# KiCad board CEM.kicad_pcb (continued)
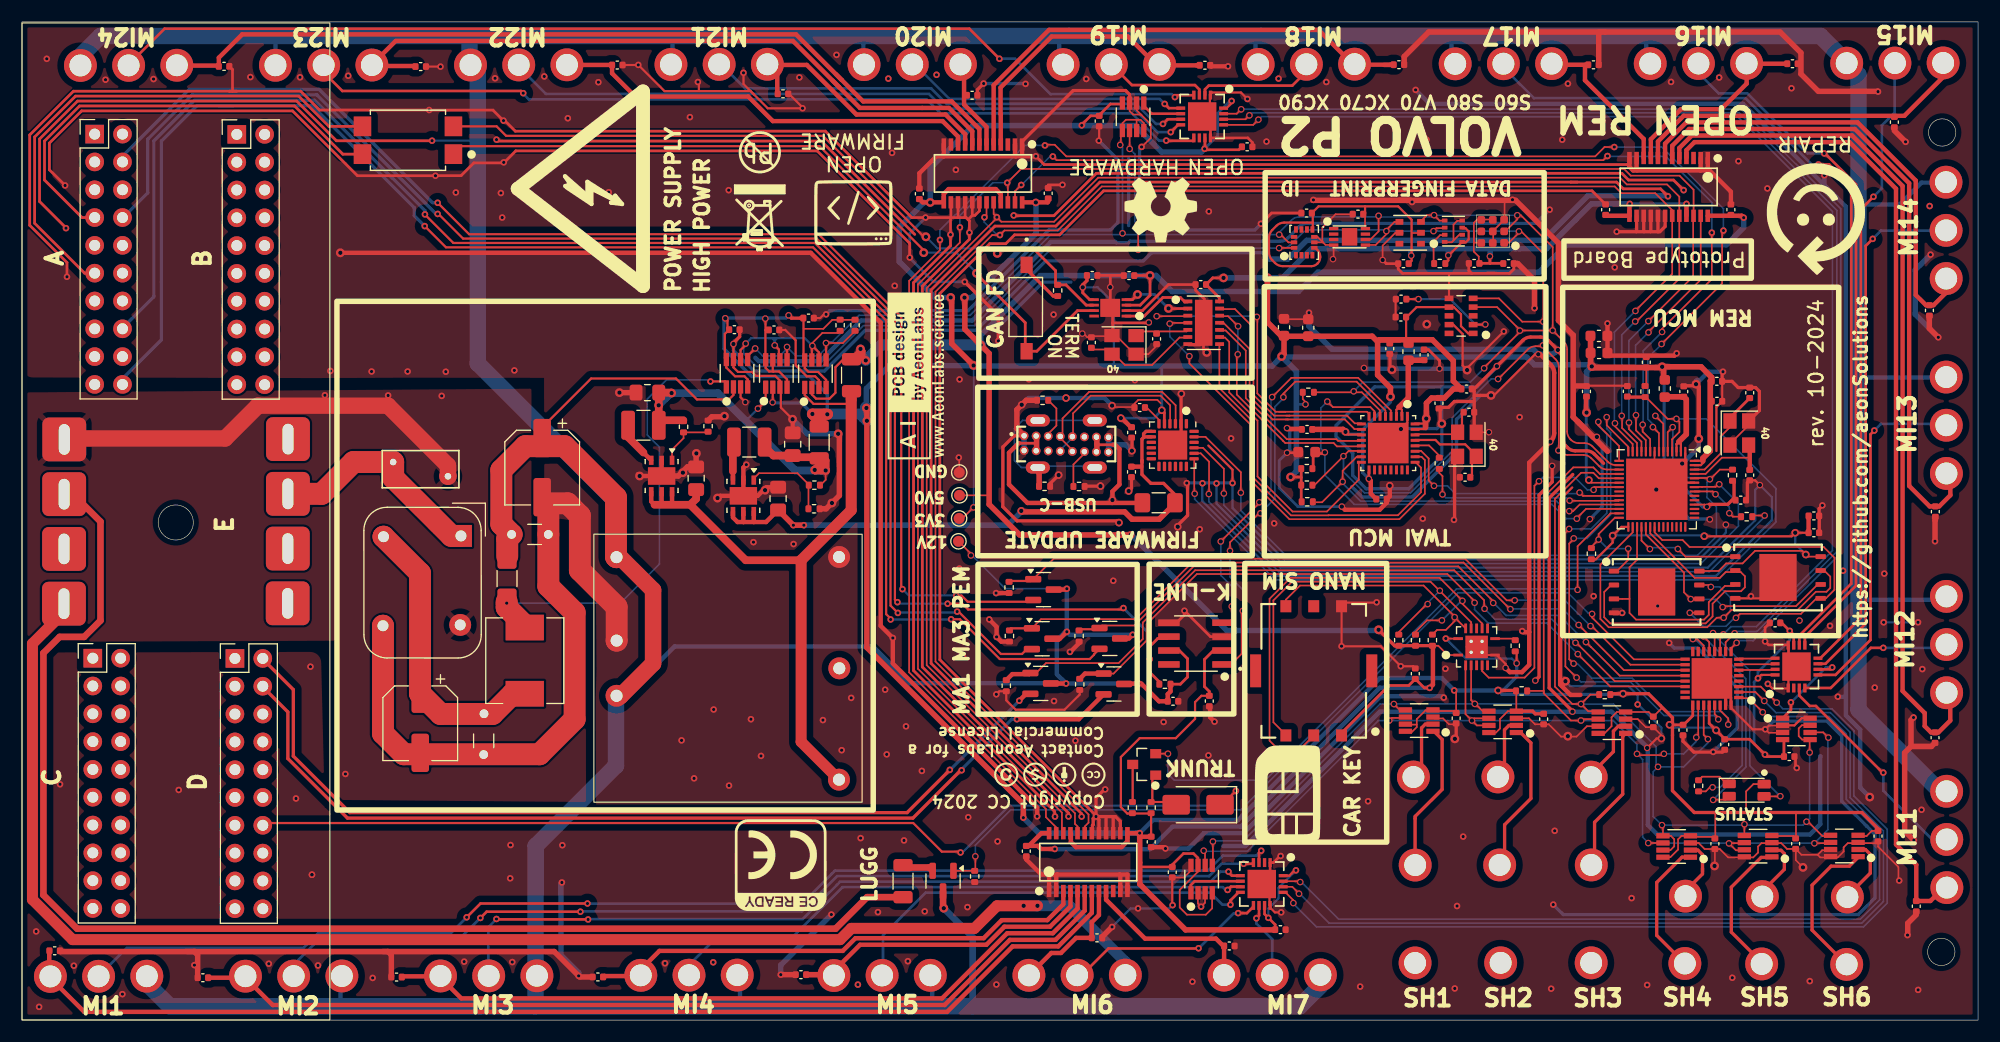
[diagram p0: board, top side]
## Routing (per net, layer and track width the routed paths; a pad name or vN(x,y) marks a point on that pad's centre or on a via; arc(x,y) is an arc through that point) (continued)
A1_TXMUX2: length 3.3
  Top w0.15: U14.14 159.95,32.5 156.72,32.5 KTS1.7
A1_TXMUX3: length 105.7
  Top w0.15: v4(112.02,82.63) 111.66,82.28 U13.14 ; KTS1.10 155.48,34.51 v4(156.3,35.33)
  Bottom w0.15: 156.14,35.49 v4(156.3,35.33) 156.47,35.5 158.35,35.5 165.63,42.78 165.63,73.95 156.72,82.86 112.25,82.86 v4(112.02,82.63)
A2_TXMUX1: length 86.7
  Top w0.15: TXMUX1.13 115.31,11.67 116.03,10.95 v4(116.03,10.69) ; KTS1.3 158.68,30.46 v4(160.14,29)
  Bottom w0.15: v4(160.14,29) 160.71,28.43 165.19,28.43 167.2,26.42 167.2,20.46 170.23,17.43 170.23,10.69 168.05,8.52 118.15,8.52 116.03,10.63 v4(116.03,10.69)
A2_TXMUX2: length 3.4
  Top w0.15: U14.13 159.96,33.02 156.74,33.02 KTS1.8
A2_TXMUX3: length 105.3
  Top w0.15: KTS1.11 154.98,34.94 v4(155.27,35.23) ; U13.13 112.37,81.77 v4(112.84,82.24)
  Bottom w0.15: v4(112.84,82.24) 113.11,82.51 156.58,82.51 165.23,73.86 165.23,42.88 158.29,35.94 155.98,35.94 v4(155.27,35.23)
CAN_H: length 41.7
  Top w0.25: U1.A14 5.49,73.3 2.06,76.73 2.06,80.29 5.26,83.49 24.89,83.49 29.29,79.09 FL1.4
CAN_L: length 47.9
  Top w0.25: FL1.3 28.02,81.63 25.26,84.39 4.89,84.39 1.16,80.66 1.16,72.78 5.72,68.22 U1.A16
CAN_RXD: length 6.4
  Top w0.25: 100.71,65.8 101.34,65.8 v2(101.81,66.27) ; 106.38,64.94 106.33,64.99 104.65,64.99 v2(104.64,65)
  Bottom w0.25: v2(104.64,65) 103.36,66.28 101.82,66.28 v2(101.81,66.27)
CAN_TXD: length 6.5
  Top w0.25: 100.71,64.3 102.42,64.3 104.12,66 105.72,66 106.13,65.59 106.38,65.59
CARGO_ILLUMINATION_12V: length 123.1
  Top w0.6: ER4.2 77.13,11.23 74.25,8.35 5.03,8.35 1.96,11.42 1.96,33.52 3.44,35 5.68,35 7.17,36.49 7.17,45.53 4.68,48.02 3.82,48.02 ; 3.82,48.06 3.82,47.85
CHIP_EN: length 85.5
  Top w0.15: v4(107.03,48.08) 106.99,48.12 106.99,51.27 ; 150.59,51.92 150.59,53.04 151.26,53.71 151.26,54.65 v4(150.99,54.92) 150.18,54.92 148.2,56.9 S3P4_R1.2
  Top w0.3: S3P4_C1.2 146.56,56.9 S3P4_R1.2
  Bottom w0.15: v4(107.03,48.08) 107.03,47.57 114.4,40.2 154.77,40.2 160.08,45.5 160.08,48.55 153.7,54.92 v4(150.99,54.92)
DARK_BLUE_WHITE_WIRE_RELAY_MA1_PIN85: length 88.9
  Top w0.3: 85.72,22.86 81.31,18.45 29.71,18.45 24.27,23.89 24.27,28.14 21.94,30.47
  Top w0.4: DMP1045U_3.2 96.44,27.48 v3(90.8,27.48)
  Bottom w0.3: v3(90.8,27.48) 90.34,27.48 85.72,22.86
  vias: v3(85.76,22.82)
DARK_BLUE_WIRE_RELAY_MA3_PIN85: length 84.1
  Top w0.3: v3(84.68,22.86) 84.68,22.85 80.78,18.95 29.93,18.95 24.77,24.11 24.77,30.18 21.94,33.01
  Top w0.4: DMP1045U_2.2 91.64,29.8 91.02,29.18 v3(91.02,29.17)
  Bottom w0.3: 91.02,29.03 v3(91.02,29.17) 84.71,22.86 v3(84.68,22.86)
ESP_GPIO0_BOOT-DTR: length 74.5
  Top w0.15: 106.99,53.27 108.01,53.27 111.24,50.04 v4(111.24,48.17) ; S3P52_R1.2 154.95,50.28 154.07,49.4 v4(154.04,49.4) 153.93,49.51 ; v4(150.65,54.16) 150.19,53.7 150.19,51.92 ; 153.93,49.51 152.63,49.51
  Bottom w0.15: v4(111.24,48.17) 111.24,46.54 115.33,42.45 152.91,42.45 154.64,44.18 154.64,46.87 153.78,47.73 153.78,49.14 v4(154.04,49.4) 153.89,49.54 ; 153.89,49.54 151.42,49.54 150.66,50.31 150.66,54.15 v4(150.65,54.16)
K-LINE-LIN: length 145.7
  Top w0.2: v3(84.48,38.03) 85.82,38.03 86.35,37.5 100.39,37.5 v3(100.53,37.64) ; v3(79.9,38.17) 79.67,38.4 79.67,64.24 72.53,71.38 40.26,71.38 38.01,73.63 v3(37.94,73.63)
  Top w0.25: TXR2.2 103.8,30.89 102.93,31.76 102.93,34.13 103.65,34.85 104.5,34.85 U15.6
  Bottom w0.2: v3(79.9,38.17) 80.04,38.03 v3(84.48,38.03)
  Bottom w0.25: v3(100.53,37.64) 102.93,35.23 v3(102.93,32.97)
  Bottom w0.3: v3(37.94,73.63) 37.79,73.63 26.91,84.51 15.54,84.51 11.49,80.46 11.49,75.56 9.2,73.27 8.62,73.27
K-LINE-RX: length 39.8
  Top w0.15: v4(110.25,42.86) 110.25,43.64 112.9,46.29 v4(113.03,46.29) ; v4(115.12,56.89) 115.12,57.22 116.21,58.31 121.81,58.31 124.44,55.68 124.44,55.19 ; U15.1 110.34,32.48 111.31,33.45 111.31,37.27 v4(111.42,37.38)
  Bottom w0.15: v4(111.42,37.38) 111.42,39.3 110.25,40.47 v4(110.25,42.86) ; v4(113.03,46.29) 113.03,46.33 114.34,47.64 114.34,56.01 115.12,56.79 v4(115.12,56.89)
K-LINE-TX: length 36.9
  Top w0.15: v4(109.41,43.72) 112.92,47.23 v4(112.92,47.3) ; U15.4 110.11,36.3 110.41,36.6 v4(110.41,37.79) ; 124.94,55.19 124.94,55.67 121.95,58.66 115.85,58.66 v4(114.09,56.9)
  Bottom w0.15: v4(112.92,47.3) 113.99,48.37 113.99,56.8 v4(114.09,56.9) ; v4(110.41,37.79) 110.41,39.62 109.41,40.62 v4(109.41,43.72)
KTS_INT: length 47.9
  Top w0.15: v4(144.63,55.07) 144.63,54.33 146.59,52.37 146.59,51.93 ; v4(141.62,44) 141.62,43.94 141.21,43.53 141.21,32.97 v4(141.61,32.56) ; v4(155.72,26.99) 155.72,27.54 154.98,28.28 KTS1.30
  Bottom w0.15: v4(144.63,55.07) 144.63,54.02 144.99,53.67 144.99,46.15 142.84,44 v4(141.62,44) ; v4(155.72,26.99) 155.72,27.58 155.13,28.17 150,28.17 146.94,31.23 143.28,31.23 141.95,32.56 v4(141.61,32.56)
KTS_RST: length 47
  Top w0.15: v4(141.2,44.86) 140.86,44.52 140.86,32.31 v4(141.88,31.28) ; 145.76,51.09 145.76,52.43 143.86,54.33 v4(143.86,54.64) ; KTS1.29 154.48,27.95 154.81,27.62
  Bottom w0.15: v4(141.2,44.86) 143.2,44.86 144.64,46.29 144.64,53.53 143.86,54.3 v4(143.86,54.64) ; v4(154.81,27.47) 154.46,27.82 149.86,27.82 146.8,30.89 142.28,30.89 v4(141.88,31.28)
LED_B_S3: length 20.6
  Top w0.15: v4(154.33,35.35) 154.48,35.2 KTS1.12 ; v4(160.47,20.45) 160.45,20.43 LED1.2
  Bottom w0.15: v4(160.47,20.45) 157.68,23.24 157.68,31.93 154.31,35.3
LED_G_S3: length 21
  Top w0.15: v4(153.45,35.05) 153.98,34.52 KTS1.13 ; LED1.1 155.5,20.13 154.36,20.13 v4(154.34,20.11)
  Bottom w0.15: v4(153.45,35.05) 157.33,31.17 157.33,23.11 154.42,20.2 154.42,20.12
LED_R_S3: length 20.3
  Top w0.15: v4(154.29,21.26) 154.04,21.26 153.67,20.89 RGB_R1.1 ; v4(152.49,34.8) 152.89,34.8 153.48,34.21 KTS1.14
  Bottom w0.15: v4(154.29,21.26) 154.99,21.26 156.98,23.25 156.98,30.52 152.7,34.8 v4(152.49,34.8)
Luggage_lights: length 81.3
  Top w0.15: v4(143.29,37.1) 143.29,36.77 147.11,32.95 151.77,32.95 KTS1.17 ; v4(87.01,14.96) 87.01,13.69 DMP1045_R1.1 86.94,13.64 DMP1045U_1.1
  Bottom w0.15: v4(143.29,37.1) 143.2,37.19 142.93,37.19 141.09,39.03 131.07,39.03 111.25,19.21 90.26,19.21 87.01,15.96 v4(87.01,14.96)
MA1_RELAY_EN: length 64.8
  Top w0.15: DMP1045U_3.1 99.62,31.65 102.64,34.67 102.64,36.16 107.22,40.74 130.09,40.74 132.57,38.26 v4(132.57,38.12) ; v4(141.99,33.43) 144.94,30.48 151.76,30.48 KTS1.22
  Top w0.4: DMP1045U_3.1 97.02,31.65 DMP1045_R3.1
  Bottom w0.15: v4(132.57,38.12) 132.57,37.5 133.81,36.26 139.16,36.26 v4(141.99,33.43)
MA3_RELAY_EN: length 71.8
  Top w0.15: 91.88,31.62 92.47,31.62 93.46,32.61 100.09,32.61 102.29,34.81 102.29,36.3 107.08,41.09 130.7,41.09 133.44,38.35 133.44,37.61 v4(133.48,37.57) ; KTS1.21 145.36,30.96 141.86,34.46 v4(141.78,34.46)
  Top w0.4: DMP1045U_2.1 91.93,31.6 90.38,31.6 DMP1045_R2.1
  Bottom w0.15: v4(133.48,37.57) 134.44,36.61 139.63,36.61 v4(141.78,34.46)
MCP_CLKO_C3: length 30.7
  Top w0.15: 115.3,55.56 122.76,55.56 122.94,55.38 122.94,55.21 ; 115.3,55.56 114.42,55.56 112.74,57.24 112.74,64.19 v4(112.7,64.23) ; 115.3,55.56 114.72,55.56 ; v4(103.56,64.29) 106.38,64.29
  Bottom w0.15: v4(103.56,64.29) 112.64,64.29 v4(112.7,64.23)
MCP_INT0_C3: length 27.8
  Top w0.15: 109.28,62.34 109.79,62.34 110.18,61.95 110.18,57.33 112.76,54.75 112.76,49.65 115.96,46.45 119.09,46.45 122,49.36 122,51.01
MCP_INT1_C3: length 34.2
  Top w0.15: 109.28,61.69 109.28,57.73 112.41,54.6 112.41,49.51 115.82,46.1 119.24,46.1 119.25,46.11 125.57,46.11 127.68,48.22 127.68,50.46 127.14,51.01 ; 127.14,50.99 127.25,50.99
MCP_INT_C3: length 41.8
  Top w0.15: v4(106.54,60.64) 106.54,59.98 112.06,54.46 112.06,49.36 115.67,45.75 125.71,45.75 128.03,48.07 128.03,51.15 127.73,51.45 U4.26 ; v4(104.75,63.61) 104.82,63.68 106.34,63.68 106.38,63.64 ; 127.48,51.51 127.14,51.51
  Bottom w0.15: v4(104.75,63.61) 104.75,62.43 v4(106.54,60.64)
MCP_OSC1: length 10.4
  Top w0.15: 97.73,61.25 99.45,61.25 99.47,61.22 99.47,61.02 100.66,59.83 103.13,59.83 105.64,62.34 106.38,62.34
MCP_OSC2: length 4.8
  Top w0.15: 106.38,62.99 106.29,62.9 101.7,62.9 101.67,62.92
MCP_SPI_CS_C3: length 21.2
  Top w0.15: 115.68,55.21 114.28,55.21 112.39,57.1 112.39,63.25 110.7,64.94 109.28,64.94 ; 115.68,55.21 115.38,55.21 ; 115.68,55.21 120.93,55.21 121.63,54.51 122.24,54.51
MCP_SPI_SCK_C3: length 19.7
  Top w0.15: 122.24,53.01 122.13,52.9 120.12,52.9 119.96,53.06 115.44,53.06 111.69,56.81 111.69,61.15 109.85,62.99 109.28,62.99
MCP_SPI_SDI_C3: length 19.7
  Top w0.15: 122.24,53.99 121.6,53.99 120.73,54.86 115.54,54.86 ; 115.54,54.86 115.32,54.86 ; 115.54,54.86 114.13,54.86 112.04,56.95 112.04,61.29 109.69,63.64 109.28,63.64
MCP_SPI_SDO_C3: length 21.7
  Top w0.15: 109.28,64.29 110.07,64.29 v4(110.99,63.37) ; v4(110.96,60.81) 110.87,60.72 110.87,57.13 115.29,52.71 119.7,52.71 120.01,52.4 122.13,52.4 122.24,52.51
  Bottom w0.15: v4(110.99,63.37) 110.96,63.34 v4(110.96,60.81)
NCV1_CS: length 165.2
  Top w0.15: v3(145.32,79.74) 144.43,79.74 143.58,78.89 95.31,78.89 94.25,79.95 93.33,79.95 ; v3(83.78,71.26) 83.78,70.33 80.97,67.52 80.97,31.76 93.45,19.28 93.45,18.54 94.39,17.6 U12.23 ; v3(155.28,72.11) 155.16,71.99 155.16,67.28 v4(149.63,61.75) ; 149.39,51.92 149.39,51.92 149.39,53.61 v4(148.84,54.16)
  Bottom w0.15: v4(148.84,54.16) 148.84,54.43 148.38,54.89 148.38,60.48 149.68,61.78 ; v3(155.28,72.11) 155.28,74.11 149.65,79.74 v3(145.32,79.74) ; v3(93.36,79.89) 91.53,79.89 83.78,72.14 v3(83.78,71.26)
NCV1_OUT1: length 46
  Top w0.4: U12.3 95.04,10.59 93.58,9.13 89.42,9.13 87.77,7.48 76.07,7.48 74.91,6.32 58.18,6.32 55.88,4.02 53.12,4.02 NCV1_C8.1
NCV1_OUT2: length 28.8
  Top w0.25: 74.07,4.04 73.72,4.04
  Top w0.4: U12.4 95.69,10.39 93.83,8.53 89.66,8.53 88.01,6.88 76.49,6.88 74.1,4.49 U1.MI5-2
  Top w0.5: NCV1_C7.1 73.96,4.15 74.07,4.04 U1.MI5-2
NCV1_OUT3: length 67.5
  Top w0.4: NCV1_C6.1 34.74,4 38.08,4 40.1,1.98 83.96,1.98 89.91,7.93 94.08,7.93 96.34,10.19 U12.5
NCV1_OUT4: length 86.5
  Top w0.4: 17,3.87 20.17,3.87 20.28,3.98 22.88,1.38 84.21,1.38 90.16,7.33 94.33,7.33 96.99,9.99 U12.6
NCV1_OUT5: length 105.4
  Top w0.25: 2.32,4.15 2.32,3.41
  Top w0.4: 2.48,3.96 5.69,0.75 84.43,0.75 90.41,6.73 94.57,6.73 97.64,9.8 U12.7 ; NCV1_C4.1 2.49,6.31 2.49,4.13 2.29,3.94
NCV1_OUT6: length 11.7
  Top w0.4: U12.8 98.29,9.6 97.63,8.94 NCV1_C3.1 96.2,7.51 94.82,6.13 93.94,6.13 U1.MI6-2
NCV1_OUT7: length 16
  Top w0.4: U1.MI7-2 109.71,4.12 NCV1_C2.1 109.64,6.77 108.97,7.44 102.5,7.44 98.94,11 U12.9
NCV2_CS: length 24.4
  Top w0.15: 148.19,51.92 148.19,52.97 147.3,53.86 v4(147.3,55.25) ; U11.23 153.21,67.62 148.44,62.86 v4(148.44,62.81)
  Bottom w0.15: v4(148.44,62.81) 147.26,61.63 147.26,55.29 v4(147.3,55.25)
NCV2_OUT2: length 90.7
  Top w0.4: U11.4 151.91,79.45 152.64,80.19 166.77,80.19 171.03,75.93 171.03,16.04 172.88,14.19 NCV2_C10.1 174.17,10.88 175.36,12.07
NCV2_OUT3: length 79.6
  Top w0.4: U11.5 151.26,79.65 152.39,80.79 167.02,80.79 171.63,76.18 171.63,30.06 173.65,28.04 173.65,26.85 174.22,26.28 NCV2_C11.1 174.9,26.28 175.98,27.36 175.98,29.23 175.34,29.87
NCV2_OUT4: length 60.3
  Top w0.4: 175.32,49.9 175.99,49.23 175.99,47.94 174.97,46.92 NCV2_C12.1 174.1,46.92 172.23,48.79 172.23,76.43 167.27,81.39 152.14,81.39 150.61,79.85 150.61,78.74
NCV2_OUT5: length 42.6
  Top w0.4: U11.7 149.96,80.05 151.89,81.99 167.52,81.99 172.83,76.68 172.83,66.23 173.77,65.3 NCV2_C13.1 174.46,65.3 175.56,66.4 175.56,67.44 175.3,67.7
NCV2_OUT6: length 31.3
  Top w0.4: U11.8 149.31,80.25 151.65,82.59 171.79,82.59 175.33,86.13 U1.MI15-2
NCV2_OUT7: length 17.8
  Top w0.4: U11.9 148.66,80.45 151.4,83.19 155.06,83.19 157.4,85.53 U1.MI16-2 157.43,87.35 160.81,87.35
NCV2_OUT8: length 14.5
  Top w0.25: 139.38,87.31 139.38,87.79
  Top w0.4: 139.38,87.31 139.44,87.25 142.65,87.25 142.65,85.84 148.01,80.47 148.01,78.74
NCV3_CS: length 93.5
  Top w0.15: 148.59,51.92 148.59,53.06 147.91,53.75 v4(147.91,54.38) ; v3(144.7,78.92) 144.32,78.54 94.42,78.54 v3(94.08,78.88) ; U10.23 90.63,75.71 91.16,76.24 91.28,76.24 ; v3(154.22,71.92) 154.22,67.68 149.68,63.14 v4(149.68,62.85)
  Bottom w0.15: v3(91.2,76.28) 91.22,76.28 93.82,78.88 v3(94.08,78.88) ; 154.23,72.09 154.23,74.67 150.01,78.89 144.73,78.89 v3(144.7,78.92) ; v4(149.68,62.85) 147.96,61.13 147.96,54.43 v4(147.91,54.38)
NCV3_OUT2: length 26.1
  Top w0.4: U10.4 89.33,82.74 89.31,82.76 89.31,85.17 93.98,89.84 100.92,89.84 103.56,87.2 107.18,87.2 107.19,87.21
NCV3_OUT3: length 45.7
  Top w0.4: U10.5 88.68,85.39 93.73,90.44 118.33,90.44 121.25,87.52 121.25,87.33 121.32,87.26 124.89,87.26 124.87,87.24 124.31,87.24
NCV3_OUT4: length 8.3
  Top w0.4: U1.MI20-2 85.98,86.96 85.98,83.63 88.03,81.58 U10.6
NCV3_OUT5: length 80.9
  Top w0.2: NCV3_C21.1 17.8,87.11 17.78,87.09
  Top w0.4: 74.81,85.87 76.77,83.91 84.85,83.91 87.38,81.38 U10.7 ; 74.81,85.87 70.65,90.03 20.1,90.03 17.97,87.9 NCV3_C21.1 17.9,87.18 14.17,87.18 U1.MI24-2 ; 74.81,85.87 74.29,86.39
NCV3_OUT6: length 65.3
  Top w0.4: 74.57,85.22 70.36,89.43 34.11,89.43 31.92,87.24 32.02,87.14 35.87,87.14 NCV3_C22.1 ; 74.57,85.22 76.48,83.31 84.6,83.31 86.73,81.18 U10.8 ; 74.57,85.22 73.96,85.83
NCV3_OUT7: length 25.1
  Top w0.4: 68.18,87.23 68.19,87.22 ; NCV3_C23.1 68.93,84.65 68.93,86.4 U1.MI21-2 68.08,87.35 68.21,87.35 ; U10.9 86.08,80.92 84.29,82.71 76.16,82.71 71.63,87.24 68.26,87.24
  Bottom w0.25: 68.02,87.42 68.02,87.04
NCV3_OUT8: length 40
  Top w0.4: U10.10 85.43,80.7 84.02,82.11 68.53,82.11 66.29,84.35 55.98,84.35 53.86,86.47 NCV3_C24.1 ; 53.68,87.24 49.75,87.24 U1.MI22-2 50.34,87.25 50.38,87.21
PEM_MODULE_BLUE: length 137.3
  Top w0.2: v3(79.94,37.19) 79.27,37.86 79.27,64.07 72.36,70.98 39.37,70.98 36.78,73.57 v3(36.78,73.59) ; v3(85.35,37.31) 85.47,37.31 89.34,33.44 91.27,33.44 91.72,33.89 DMP1045U_4.2
  Bottom w0.2: v3(85.35,37.31) 85.27,37.23 79.98,37.23 v3(79.94,37.19)
  Bottom w0.3: 8.62,63.11 9.08,63.11 12.04,66.07 12.04,80.3 15.75,84.01 26.71,84.01 36.78,73.94 v3(36.78,73.59)
PEM_MODULE_BLUE_EN: length 68.3
  Top w0.15: v4(142.07,36.09) 146.2,31.96 KTS1.19 ; 92.17,35.78 93.01,36.62 101.62,36.62 106.79,41.79 131.55,41.79 135.81,37.53 v4(135.84,37.53)
  Top w0.2: 90.12,35.66 90.25,35.78 92.17,35.78
  Bottom w0.15: v4(142.07,36.09) 140.6,37.56 135.87,37.56 v4(135.84,37.53)
PEM_MODULE_BROWN: length 149.6
  Top w0.2: DMP1045U_5.2 97.84,33.41 97.84,33.37 97.45,32.98 89.23,32.98 85.6,36.61 v3(84.8,36.61) ; 79.27,36.68 78.87,37.08 78.87,63.91 72.2,70.58 38.7,70.58 v3(36.76,72.52)
  Bottom w0.2: v3(79.28,36.59) 84.69,36.59 84.75,36.65
  Bottom w0.3: 17.98,83.51 26.5,83.51 35.81,74.2 35.81,73.47 v3(36.76,72.52) ; 17.98,83.51 15.95,83.51 12.73,80.29 12.73,62.14 8.62,58.03 ; 17.98,83.51 19.23,83.51
PEM_MODULE_BROWN_EN: length 62.1
  Top w0.15: v4(134.27,38.1) 134.27,38.25 131.08,41.44 106.93,41.44 101.53,36.04 98.57,36.04 DMP1045U_5.1 ; v4(142.73,34.53) 143.17,34.09 143.18,34.09 145.81,31.46 KTS1.20
  Top w0.2: DMP1045U_5.1 98.23,35.7 96.59,35.7 DMP1045_R5.1 96.43,35.59 96.39,35.63
  Bottom w0.15: v4(134.27,38.1) 134.31,38.1 135.45,36.96 140.3,36.96 v4(142.73,34.53)
PEM_MODULE_GREEN: length 120.6
  Top w0.2: v3(80.36,39.36) 80.25,39.47 80.25,64.22 72.69,71.78 40.81,71.78 v3(37.94,74.65) ; v3(85.26,38.77) 85.75,38.77 86.31,38.21 91.67,38.21 91.78,38.32 92.23,38.32
  Bottom w0.2: v3(80.36,39.36) 80.92,38.8 85.23,38.8 v3(85.26,38.77)
  Bottom w0.3: 19.16,85.01 19.8,85.01 ; 19.16,85.01 27.12,85.01 37.47,74.66 37.87,74.66 ; 19.16,85.01 15.28,85.01 9.18,78.91 U1.A2
PEM_MODULE_GREEN_EN: length 66.6
  Top w0.15: v4(136.23,38.34) 135.5,38.34 131.7,42.14 94.16,42.14 DMP1045U_7.1 ; KTS1.18 146.79,32.46 143.26,35.99 v4(143.15,35.99)
  Top w0.2: DMP1045_R7.1 90.17,40.11 92.13,40.11 DMP1045U_7.1
  Bottom w0.15: v4(143.15,35.99) 140.79,38.35 136.24,38.35 v4(136.23,38.34)
POWER_SENSE_TXMUX1: length 5.5
  Top w0.24: TXMUX1.6 107.02,12.68 106.67,12.33 106.67,11.55
POWER_SENSE_TXMUX2: length 8.2
  Top w0.24: 160.69,27.58 161.44,28.33 v3(161.44,29.02) ; v3(165.21,32.21) 165.04,32.04 U14.6
  Bottom w0.24: v3(161.44,29.02) 161.45,29.02 164.64,32.21 v3(165.21,32.21)
POWER_SENSE_TXMUX3: length 3.8
  Top w0.24: U13.6 103.11,82.78 102.39,83.5 102.39,83.67
RELAY_MI1_PIN4: length 112.1
  Top w0.24: TXMUX1.3 112.9,15.27 v3(113.1,15.47) ; v3(51.61,10.65) 41.85,10.65 v3(40.59,9.39)
  Bottom w0.24: v3(40.59,9.39) 39.19,7.99 27.09,7.99 25.69,6.59 9.57,6.59 6.96,3.98 ; 51.63,10.63 71.17,10.63 74.19,13.65 108.23,13.65 109.61,15.03 112.66,15.03 v3(113.1,15.47)
  Bottom w0.3: v3(51.61,10.65) 51.63,10.63
RELAY_MI2_PIN4: length 92.5
  Top w0.24: TXMUX1.4 112.28,14.28 v3(111.49,14.28) ; v3(50.97,9.9) 42.41,9.9 v3(41.84,9.33)
  Bottom w0.24: U1.MI2-4 24.8,5.06 27.23,7.49 40,7.49 v3(41.84,9.33) ; v3(111.49,14.28) 109.48,14.28 108.35,13.15 74.4,13.15 71.18,9.93 51,9.93
  Bottom w0.3: v3(50.97,9.9) 51,9.93
RELAY_MI3_PIN4: length 75.6
  Top w0.24: 51.66,9.2 43.34,9.2 ; v3(110.11,13.56) 110.11,13.5 110.42,13.19 TXMUX1.5
  Top w0.3: v3(51.67,9.19) 51.66,9.2 ; 43.34,9.2 v3(43.31,9.24)
  Bottom w0.24: 43.41,9.34 42.56,8.49 42.56,4.02 ; 51.71,9.23 71.26,9.23 74.67,12.64 108.46,12.64 109.38,13.56 v3(110.11,13.56)
  Bottom w0.3: v3(51.67,9.19) 51.71,9.23
RELAY_MI4_PIN4: length 54.7
  Top w0.24: 111.25,12.19 110.33,12.19 v3(110.03,11.89)
  Bottom w0.24: v3(110.03,11.89) 109.85,11.89 109.6,12.14 74.88,12.14 69.8,7.06 62.91,7.06 61.13,5.28 61.13,4.07 61.1,4.04
  Bottom w0.25: 60.12,4.22 60.12,4.19 60.28,4.03
RELAY_MI5_PIN4: length 39.1
  Top w0.24: TXMUX1.8 111.03,11.67 110.29,10.93 v3(110.29,10.54)
  Bottom w0.24: U1.MI5-4 78.58,4.16 78.58,7.75 82.47,11.64 108.46,11.64 109.56,10.54 v3(110.29,10.54) ; 79.61,4.08 79.62,4.09
RELAY_MI6_PIN1: length 135.3
  Top w1: 3.8,38.02 3.8,37.22 0.96,34.38 0.96,11.01 4.62,7.35 74.67,7.35 75.7,8.38 86.93,8.38 88.99,10.44 v2(92.68,10.44)
  Bottom w1: U1.MI6-1 100.7,5.33 95.59,10.44 v2(92.68,10.44) v2(91.42,10.44)
RELAY_MI6_PIN4: length 18.9
  Top w0.24: v3(110.99,9.77) 111.79,9.77 112.39,10.37 112.39,10.55 ; v3(107.38,6.56) 107.36,6.54 99.16,6.54 96.72,4.1 U1.MI6-4
  Bottom w0.24: v3(110.99,9.77) 110.96,9.74 110.58,9.74 107.4,6.56 v3(107.38,6.56)
RELAY_MI7_PIN4: length 7.2
  Top w0.24: 112.9,10.61 112.9,9.54 v3(112.66,9.3)
  Bottom w0.24: U1.MI7-4 114.1,7.38 112.66,8.82 v3(112.66,9.3)
RELAY_MI11_PIN4: length 20.3
  Top w0.24: U14.3 162.2,29.64 163.16,28.69 163.72,28.69 169.81,22.6 v3(169.87,22.6)
  Bottom w0.24: v3(169.87,22.6) 169.87,20.95 174.35,16.47 175.35,16.47
RELAY_MI12_PIN4: length 14.2
  Top w0.24: U14.4 165.07,30.33 168.74,34 v3(169.87,34)
  Bottom w0.24: v3(169.87,34) 175.06,34 175.33,34.27
RELAY_MI13_PIN4: length 32
  Top w0.24: v3(169.05,53.85) 168.7,53.5 168.7,34.72 165.51,31.53 U14.5
  Bottom w0.24: v3(169.05,53.85) 169.66,54.46 175.15,54.46 175.31,54.3
RELAY_MI14_PIN4: length 48
  Top w0.24: U14.7 164.59,32.54 168.26,36.21 168.26,70.71 v3(168.91,71.36)
  Bottom w0.24: 175.29,72.1 175.28,72.11 169.66,72.11 v3(168.91,71.36)
RELAY_MI15_PIN4: length 57.4
  Top w0.24: v3(168.97,75.2) 167.82,74.05 167.82,36.75 164.12,33.05 U14.8
  Bottom w0.24: v3(168.97,75.2) 169.74,75.97 169.74,81.72 170.9,82.88 170.9,87.38 U1.MI15-4
RELAY_MI16_PIN4: length 63.6
  Top w0.24: U14.9 162.71,35.01 167.38,39.67 167.38,76.32 164.55,79.16 v3(164.48,79.16)
  Bottom w0.24: v3(164.48,79.16) 162.95,79.16 157.46,84.65 154.86,84.65 152.63,86.87 152.63,87.39
RELAY_MI17_PIN4: length 81
  Top w0.24: v3(163.95,78.15) 164.93,78.15 166.94,76.14 166.94,39.86 162.2,35.12 U14.10
  Top w0.25: 134.98,87.3 134.98,87.68
  Bottom w0.24: v3(163.95,78.15) 163.34,78.15 157.28,84.2 138,84.2 134.83,87.37
RELAY_MI18_PIN4: length 12.1
  Top w0.24: 117.97,87.33 116.86,87.33 116.86,86.28 115.93,85.35 108.31,85.35 107.96,85 U13.2
RELAY_MI19_PIN4: length 9.9
  Top w0.24: 99.06,87.31 99.39,87.31 101.3,85.4 107.05,85.4 107.46,84.99 U13.3
RELAY_MI20_PIN4: length 26.6
  Top w0.24: U13.5 104.68,83.29 v3(104.29,83.68)
  Bottom w0.24: U1.MI20-4 81.5,87.28 84.65,84.13 103.84,84.13 v3(104.29,83.68)
  Bottom w0.3: U1.MI20-4 81.63,87.28 81.66,87.25
RELAY_MI21_PIN4: length 44.3
  Top w0.24: v3(104.13,81.85) 104.56,82.28 U13.7
  Bottom w0.24: 63.86,87.23 66,85.09 82.98,85.09 84.38,83.69 101.66,83.69 103.5,81.85 v3(104.13,81.85)
  Bottom w0.25: 63.62,87.41 63.62,87.39
RELAY_MI22_PIN4: length 63.4
  Top w0.24: v3(104.84,81.1) 105.51,81.77 U13.8
  Bottom w0.24: v3(104.84,81.1) 103.63,81.1 101.48,83.25 84.12,83.25 82.78,84.59 47.82,84.59 45.32,87.09 45.32,87.25
RELAY_MI23_PIN4: length 83.7
  Top w0.24: v3(104.43,80.33) 104.45,80.31 106.9,80.31 106.95,80.36 U13.9 ; v3(45.75,84.66) 45.55,84.86 29.24,84.86 27.52,86.58 27.52,87.23
  Top w0.3: 27.52,87.23 27.56,87.19 28.26,87.19
  Bottom w0.24: v3(104.43,80.33) 103.78,80.33 101.3,82.81 83.85,82.81 82.57,84.09 46.26,84.09 45.75,84.6 v3(45.75,84.66)
RELAY_MI24_PIN4: length 101.5
  Top w0.24: U13.4 106.93,84.47 105.39,84.47 v3(105.22,84.3) ; 9.72,87.21 9.72,87.25 13.02,90.55 86.46,90.55 89.31,87.7
  Top w0.3: 89.31,87.7 89.33,87.7
  Bottom w0.24: v3(105.22,84.3) 104.95,84.57 93.87,84.57 90.64,87.81 v3(89.21,87.81)
RESISTOR_SH1-PIN4: length 13.2
  Top w0.3: INA4.1 128.86,26.38 129.61,25.63 129.61,21.07 127.15,18.61 127.15,18.42 127.14,18.41 127.14,14.66 127.2,14.6
RESISTOR_SH1-PIN5: length 5.3
  Top w0.3: INA4.2 128.08,27.03 127.73,26.69 127.73,23.43 127.1,22.8
RESISTOR_SH2-PIN4: length 13.6
  Top w0.3: INA5.1 136.77,26.27 137.71,25.32 137.71,20.24 135.31,17.84 135.31,15.01 134.91,14.61
RESISTOR_SH2-PIN5: length 5
  Top w0.3: 135.31,22.8 135.3,22.81 135.3,26.5 135.71,26.92 136.39,26.92
RESISTOR_SH3-PIN4: length 12.9
  Top w0.3: INA6.1 146.09,25.92 146.09,20.64 143.52,18.07 143.52,14.86 143.27,14.61
RESISTOR_SH3-PIN5: length 5.6
  Top w0.3: 143.52,22.8 145.24,24.52 145.24,26.39 145.69,26.84 INA6.2
RESISTOR_SH4-PIN4: length 12.5
  Top w0.3: U1.SH4-4 149.19,7.74 149.19,12.57 151.5,14.88 INA7.1
RESISTOR_SH4-PIN5: length 5.5
  Top w0.3: INA7.2 152.94,15.53 153.37,15.1 153.37,13.54 ; 153.37,13.85 153.37,13.35 151.81,11.79
RESISTOR_SH5-PIN4: length 13.5
  Top w0.3: 158.76,5.6 158.76,5.14 U1.SH5-4 158.77,5.27 156,8.04 156,12.14 158.72,14.86 159.7,14.86
RESISTOR_SH5-PIN5: length 5.6
  Top w0.3: 159.7,15.51 160.53,15.51 160.84,15.2 160.84,13.77 158.82,11.75
RESISTOR_SH6-PIN4: length 14.3
  Top w0.3: 167.57,14.86 166.77,14.06 165.11,14.06 163.37,12.32 163.37,8.22 166.5,5.09 U1.SH6-4 166.52,5.1 166.52,5.56
RESISTOR_SH6-PIN5: length 6.6
  Top w0.3: INA9.2 168.24,15.58 168.68,15.14 168.68,13.42 166.97,11.71 165.83,11.71
RXD0: length 64.4
  Top w0.15: 152.63,48.69 152.65,48.71 153.35,48.71 ; 154.56,48.71 154.79,48.94 v4(154.9,48.94) ; 106.98,52.27 107.78,52.27 109.69,50.36 v4(109.69,48.1) ; 154.56,48.71 153.26,48.71
  Bottom w0.15: v4(154.9,48.94) 156.65,47.19 156.65,45.13 153.22,41.7 115.02,41.7 109.69,47.03 v4(109.69,48.1)
S3-U1CTS_C3-RST-EN: length 43.5
  Top w0.15: v4(141.9,45.8) 141.9,45.85 142.74,46.69 145.76,46.69 ; v4(119.13,56.5) 119.64,55.99 123.06,55.99 123.44,55.61 123.44,55.19
  Top w0.25: v4(118.91,51.86) 118.8,51.75 118.06,51.75 117.84,51.53 117.84,50.44 C3P7_R1.2
  Bottom w0.15: v4(119.13,56.5) 118.54,55.91 118.54,52.22 v4(118.91,51.86) 118.91,49.79 121.59,47.11 139.62,47.11 140.93,45.8 v4(141.9,45.8)
S3-U1RTS_C3-BOOT-DTR: length 33.1
  Top w0.15: 145.76,47.09 142.16,47.09 141.56,46.49 v4(141.21,46.49) ; 122.21,51.46 121.82,51.46 120.53,50.17 v4(120.53,49.18) 118.65,47.3 118.13,47.3
  Top w0.2: 122.21,51.46 122.24,51.49
  Bottom w0.15: v4(141.21,46.49) 140.95,46.49 140.03,47.41 122.15,47.41 120.53,49.03 v4(120.53,49.18)
S3-U1RXD_C3-U0TXD: length 18.9
  Top w0.15: 145.76,47.49 145.7,47.43 141.26,47.43 v4(141.24,47.45) ; 145.76,47.49 145.74,47.52 ; C3P28_R1.1 129.35,49.98 129.64,49.69 v4(129.64,48.02)
  Bottom w0.15: v4(129.64,48.02) 129.95,47.71 140.98,47.71 v4(141.24,47.45)
S3-U1TXD_C3-U0RXD: length 21.6
  Top w0.15: 127.14,51.99 127.69,51.99 128.38,51.29 128.38,49.29 v4(128.87,48.8) ; 145.76,47.89 145.74,47.88 142.46,47.88 v4(142.16,48.18) ; 145.73,47.87 145.75,47.89
  Bottom w0.15: v4(128.87,48.8) 130.1,48.8 130.81,48.09 142.06,48.09 v4(142.16,48.18)
S3_I2C_SCL: length 136.2
  Top w0.15: v4(157.2,17.89) 157.19,17.88 157.19,16.81 ; 163.2,25.63 163.15,25.58 v4(163.15,24.44) ; INA4.5 125.74,28.33 v4(125.2,28.87) 125.19,28.88 ; KTS1.27 153.48,26.05 v4(153.87,25.66) ; INA11.5 162.47,25.62 162.15,25.94 162.15,26.64 162.44,26.93 163.18,26.93 ; 139.91,38.66 139.91,39.16 ; 139.91,39.16 139.91,30.45 141.49,28.87 v4(142.28,28.87) ; 139.91,39.16 139.91,47.61 142.29,49.99 143.41,49.99 143.91,49.49 145.75,49.49 ; 133.88,28.22 133.31,28.22 132.65,28.88 v4(132.59,28.88) 132.26,29.22 TXS1.3 ; v4(142.28,28.87) 143.14,29.73 MPR5.1 ; v4(142.28,28.87) 142.94,28.21 143.78,28.21 INA6.5 ; 108.62,14.06 108.69,14.13 v4(108.69,16.31) ; v4(149.67,17.81) 149.76,17.72 INA7.5 150.48,16.83 150.79,16.52 150.79,15.87 150.45,15.53 INA7.7 ; v4(162.86,18.12) 163,18.12 164.31,16.81 165.06,16.81
  Bottom w0.15: v4(153.87,25.66) 153.87,25.34 151.66,23.13 v4(149.31,23.13) ; v4(108.69,16.31) 108.75,16.37 111.45,16.37 123.95,28.87 v4(125.2,28.87) 125.21,28.88 v4(132.59,28.88) 132.6,28.89 142.26,28.89 v4(142.28,28.87) 142.29,28.86 145.24,28.86 149.13,24.97 149.13,22.95 148.87,22.69 148.87,18.6 149.65,17.82 ; v4(163.15,24.44) 163.15,18.41 v4(162.86,18.12) 162.55,17.81 v4(149.67,17.81)
